# Altium PCB DevKITV3.PcbDoc (part 2 of 5)
Units mm, origin at the board's own origin, x right, y up, seen from the top; angles counter-clockwise.
Board outline 140 x 140 mm, 8 copper layers (Top Layer, Layer 2, Layer 3, Layer 4, Layer 5, Layer 6, Layer 7, Bottom Layer), stack 1.479 mm thick; 438 components, 315 nets, 1726 pads, 441 vias.
Unrouted connection lines stored in the file: 394.
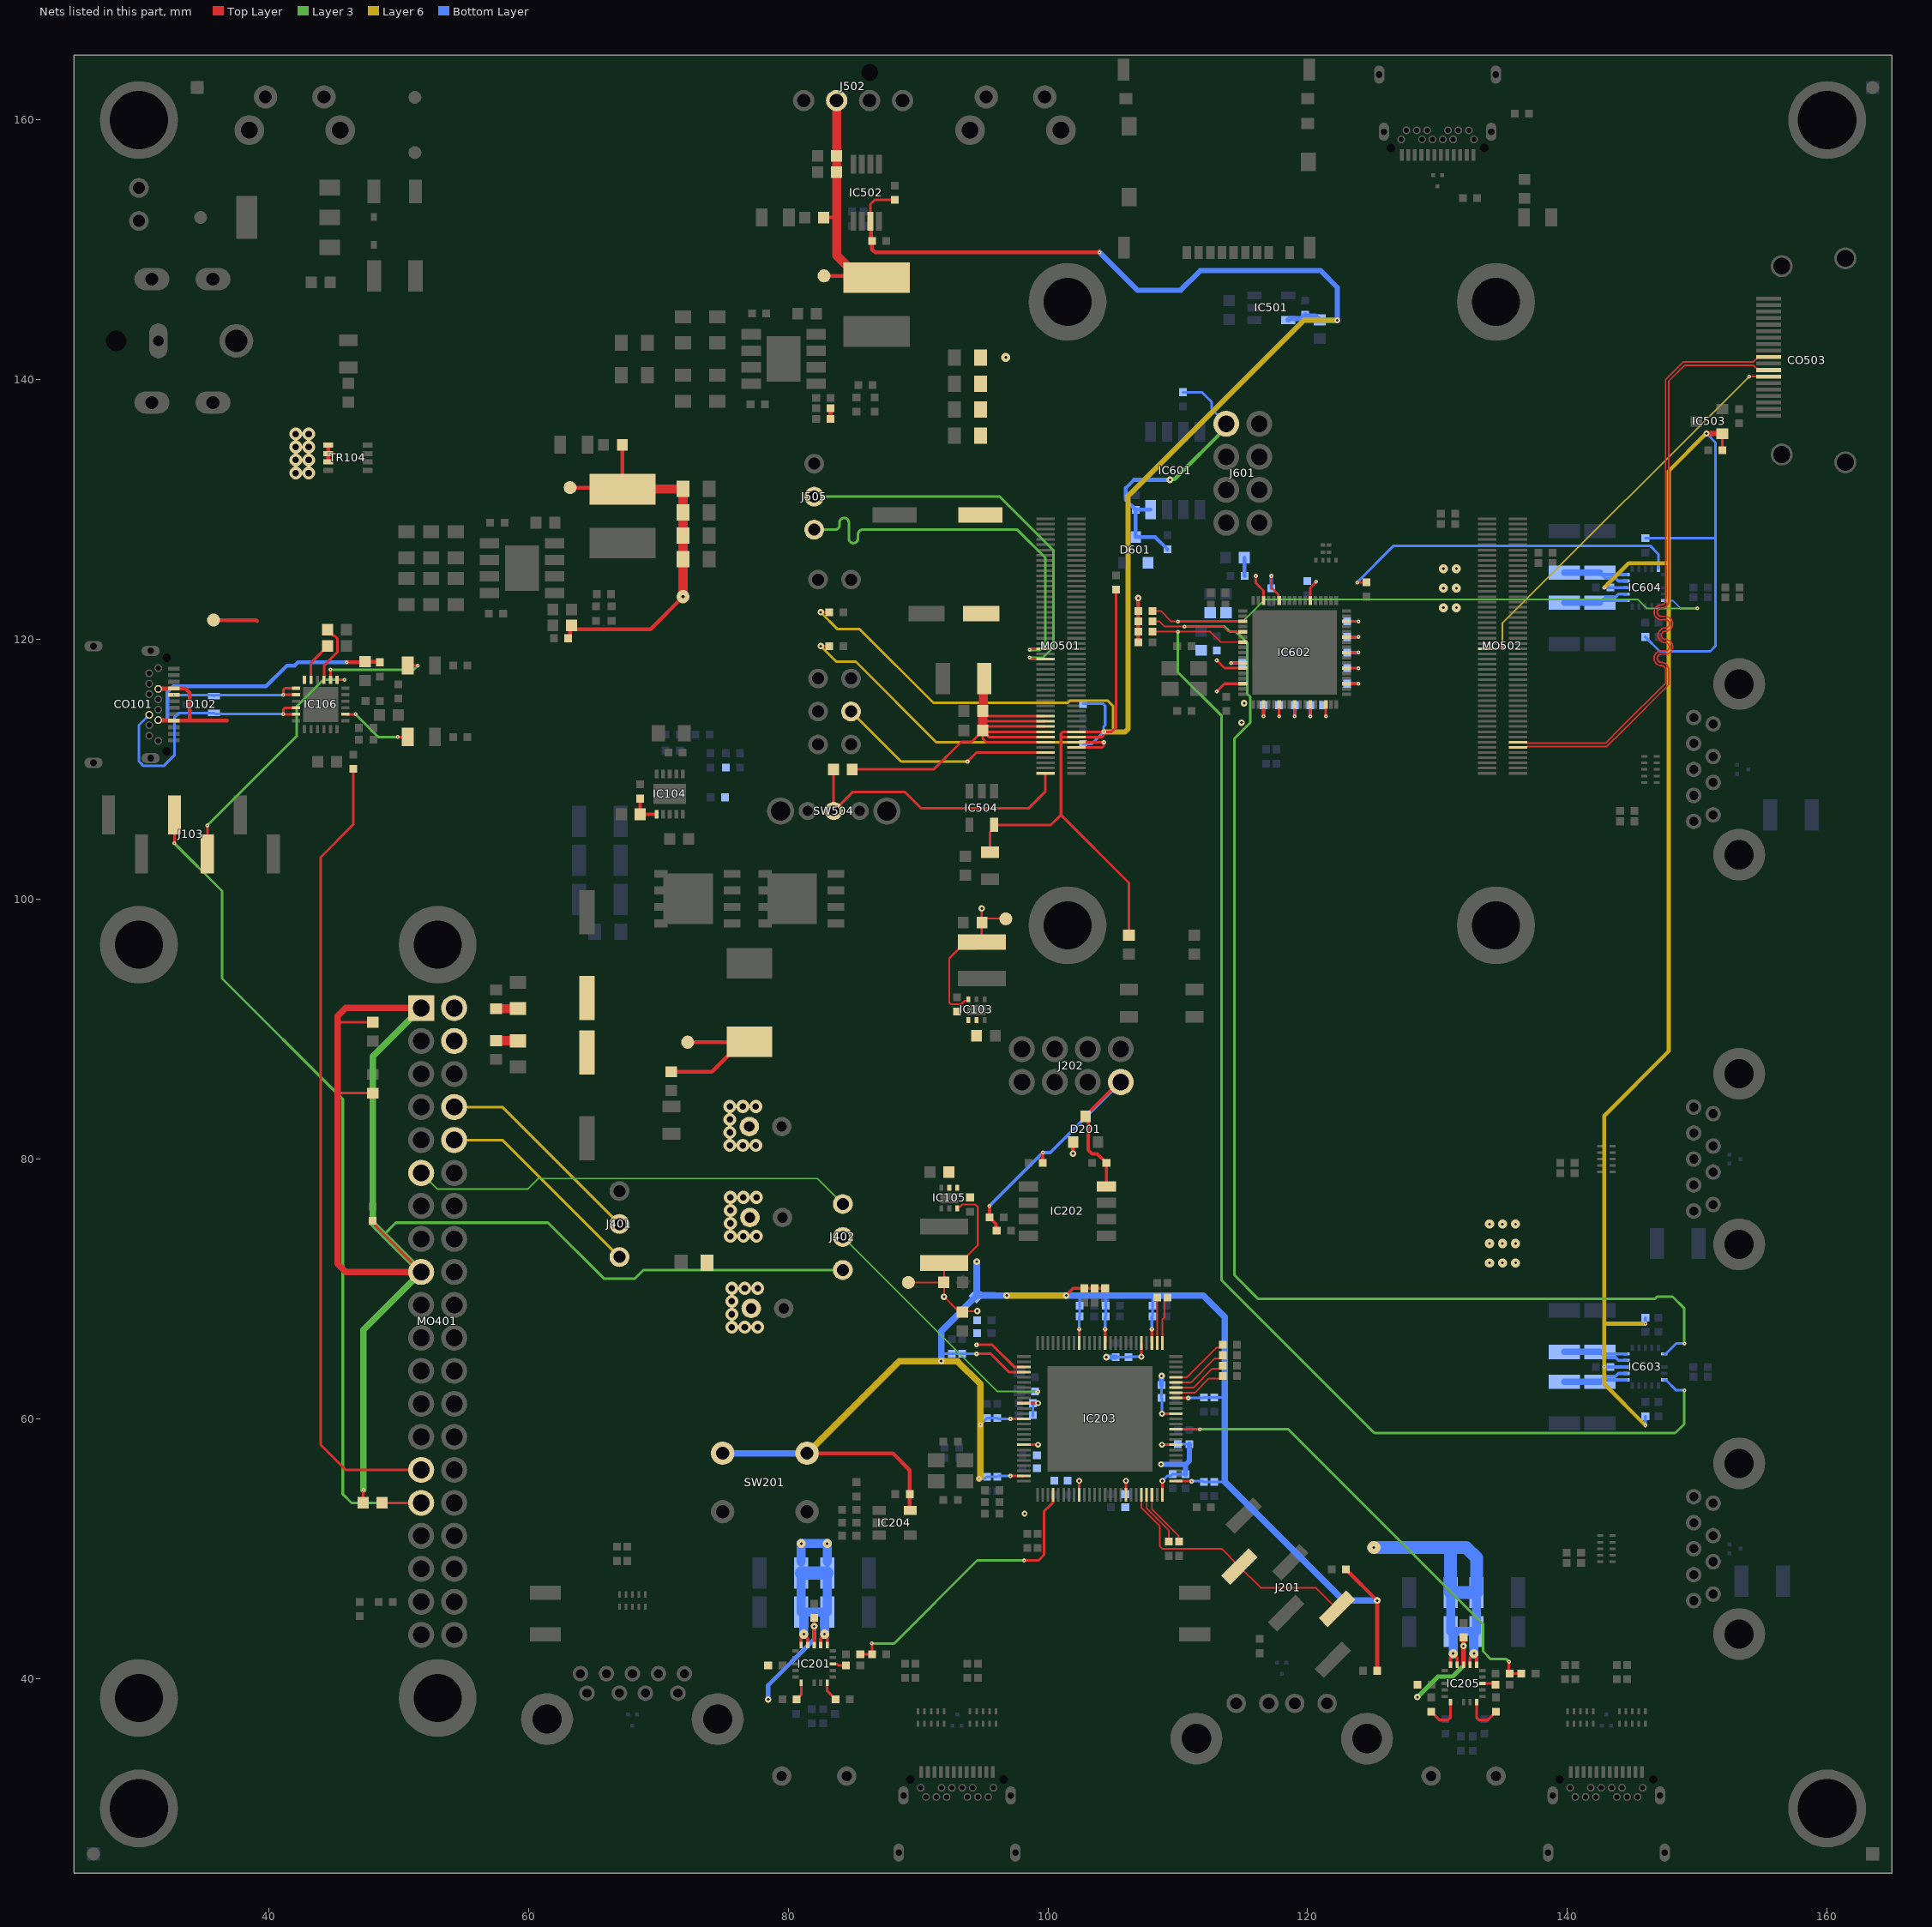
[diagram p8: the nets of this part, all layers, seen from the top]

## Footprints (in the part's own frame and the unit in brackets; to place one, negate y for a bottom-side part, rotate by r counter-clockwise, add the part's x,y. Pads: shape width x height; smd on the part's side, far side on the other; paste and mask are expansions set on the pad) (continued)
MSOP-8_3X3 [mm]
  rect 0.45x1.45 smd: 1(-0.975,-2.2) 2(-0.325,-2.2) 3(0.325,-2.2) 4(0.975,-2.2) 5(0.975,2.2) 6(0.325,2.2) 7(-0.325,2.2) 8(-0.975,2.2)
  silkscreen extent -1.65,-3.1 1.65,3.1, body extent -1.5,-2.6 1.5,2.4, height 1.09
NRS4018 [mm]
  rect 1.2x3.7 smd: 1(-1.4,0) 2(1.4,0)
  silkscreen extent -2.1,-2.1 2.1,2.1, body extent -2,-2 2,2, height 1.8
OS10_Series [mm]
  round 1.4 hole 0.8: 1(-2,0) 2(0,0) 3(2,0)
  round 2.1 hole 1.5: GND(-4.1,0) GND(4.1,0)
  silkscreen extent -4.7,-2.5 4.4,2.2, body extent -4.3,-2.15 4.3,2.15, height 8.7
PJ-082BH [mm]
  round 0 hole 1.6: 0(-3.75,0)
  round 2.6 hole 1.7: 1(5.5,0)
  oval 2.7x1.7 hole 1 slot 2 at 0 deg: 2(-1,-4.75) 2(-1,4.75) 2(3.7,-4.75) 2(3.7,4.75)
  oval 1.4x2.7 hole 0.8 slot 2.1 at 90 deg: 2(-0.5,0)
  silkscreen extent -6.5,-5 6.5,5, body extent -6.54,-5.09 6.59,5.11, height 10.15
PowerFLAT-3.3x3.3-8 [mm]
  rect 0.4x0.75 smd: 1(-0.975,-1.525) 2(-0.325,-1.525) 3(0.325,-1.525) 4(0.975,-1.525) 5(0.975,1.525) 6(0.325,1.525) 7(-0.325,1.525) 8(-0.975,1.525)
  Top Layer region: -1.875,-0.2 -1.875,0.2 0,0.2 0,-0.2
  Top Layer region: 1.875,-0.2 1.875,0.2 0,0.2 0,-0.2
  Top Layer region: -1.35,1.9 -1.35,-0.55 1.35,-0.55 1.35,1.9
  silkscreen extent -1.93,-2.18 1.65,1.9, body extent -1.65,-1.65 1.65,1.65, height 1
PowerPAK-SO-8_5X6 [mm]
  rect 0.61x1.27 smd: 1(-1.905,-2.67) 2(-0.635,-2.67) 3(0.635,-2.67) 4(1.905,-2.67)
  rect 0.61x1.02 smd: 5(1.905,2.795) 6(0.635,2.795) 7(-0.635,2.795) 8(-1.905,2.795)
  rect 3.91x3.81 smd: 7(0,0.7)
  silkscreen extent -2.6,-3.8 2.6,3.5, body extent -2.58,-3.08 2.58,3.08, height 1.09
PTS645-V [mm]
  round 1.8 hole 1: 1(2.25,-1.275) 2(-2.25,-1.275)
  round 2.3 hole 1.3: 3(3.5,1.275) 4(-3.5,1.275)
  silkscreen extent -4.8,-4.5 4.8,3, body extent -4.25,-4.4 4.25,2.9, height 7.5
QFN-24G_4X4 [mm]
  rect 0.6x0.25 smd: 1(-1.9,1.25) 2(-1.9,0.75) 3(-1.9,0.25) 4(-1.9,-0.25) 5(-1.9,-0.75) 6(-1.9,-1.25) 13(1.9,-1.25) 14(1.9,-0.75) 15(1.9,-0.25) 16(1.9,0.25) 17(1.9,0.75) 18(1.9,1.25)
  rect 0.25x0.6 smd: 7(-1.25,-1.9) 8(-0.75,-1.9) 9(-0.25,-1.9) 10(0.25,-1.9) 11(0.75,-1.9) 12(1.25,-1.9) 19(1.25,1.9) 20(0.75,1.9) 21(0.25,1.9) 22(-0.25,1.9) 23(-0.75,1.9) 24(-1.25,1.9)
  rect 2.7x2.7 smd: 25(0,0)
  silkscreen extent -2.3,-2.3 2.3,2.3, body extent -2.02,-2.02 2.02,2.02, height 0.99
QFN-68G_8X8 [mm]
  rect 0.69x0.28 smd: 1(-4,3.2) 2(-4,2.8) 3(-4,2.4) 4(-4,2) 5(-4,1.6) 6(-4,1.2) 7(-4,0.8) 8(-4,0.4) 9(-4,0) 10(-4,-0.4) 11(-4,-0.8) 12(-4,-1.2) 13(-4,-1.6) 14(-4,-2) 15(-4,-2.4) 16(-4,-2.8) 17(-4,-3.2) 35(4,-3.2) 36(4,-2.8) 37(4,-2.4) 38(4,-2) 39(4,-1.6) 40(4,-1.2) 41(4,-0.8) 42(4,-0.4) 43(4,0) 44(4,0.4) 45(4,0.8) 46(4,1.2) 47(4,1.6) 48(4,2) 49(4,2.4) 50(4,2.8) 51(4,3.2)
  rect 0.28x0.69 smd: 18(-3.2,-4) 19(-2.8,-4) 20(-2.4,-4) 21(-2,-4) 22(-1.6,-4) 23(-1.2,-4) 24(-0.8,-4) 25(-0.4,-4) 26(0,-4) 27(0.4,-4) 28(0.8,-4) 29(1.2,-4) 30(1.6,-4) 31(2,-4) 32(2.4,-4) 33(2.8,-4) 34(3.2,-4) 52(3.2,4) 53(2.8,4) 54(2.4,4) 55(2,4) 56(1.6,4) 57(1.2,4) 58(0.8,4) 59(0.4,4) 60(0,4) 61(-0.4,4) 62(-0.8,4) 63(-1.2,4) 64(-1.6,4) 65(-2,4) 66(-2.4,4) 67(-2.8,4) 68(-3.2,4)
  rect 6.5x6.5 smd: 69(0,0)
  silkscreen extent -4.5,-4.5 4.5,4.5, body extent -4,-4 4,4, height 1
QR_FXLAND_1 [mm]
  silkscreen extent -13.5,-13.5 13.5,13.5
R0201 [mm]
  rect 0.25x0.35 smd paste+0 mask+0: 1(-0.275,0) 2(0.275,0)
  silkscreen extent -0.43,-0.2 0.43,0.2, body extent -0.3,-0.15 0.3,0.15, height 0.23
R0402 [mm]
  rect 0.6x0.6 smd paste+0 mask+0: 1(-0.55,0) 2(0.55,0)
  silkscreen extent -0.85,-0.33 0.85,0.33, body extent -0.5,-0.25 0.5,0.25, height 0.35
R0603 [mm]
  rect 0.85x0.9 smd paste+0 mask+0: 1(-0.725,0) 2(0.725,0)
  silkscreen extent -1.2,-0.48 1.2,0.48, body extent -0.8,-0.4 0.8,0.4, height 0.45
RL_6.3_2.5_11 [mm]
  round 1.5 hole 0.8: 1(-1.25,0) 2(1.25,0)
  silkscreen extent -3.15,-3.15 3.15,3.15, body extent -3.15,-3.15 3.14,3.15, height 10.89
RL_10_5_12.5 [mm]
  round 1.5 hole 0.8: 1(-2.5,0) 2(2.5,0)
  silkscreen extent -5,-5 5,5, body extent -5,-5 4.99,5, height 12.39
RPICM4_Layout [mm]
  silkscreen extent -27.5,-20 27.5,20, body extent -27.5,-20 27.5,20, height 6.8
RPIZeroW_HeaderPins [mm]
  rect 2x2 hole 1.3: 1(-24.13,10.236)
  round 2 hole 1.3: 2(-24.13,12.776) 3(-21.59,10.236) 4(-21.59,12.776) 5(-19.05,10.236) 6(-19.05,12.776) 7(-16.51,10.236) 8(-16.51,12.776) 9(-13.97,10.236) 10(-13.97,12.776) 11(-11.43,10.236) 12(-11.43,12.776) 13(-8.89,10.236) 14(-8.89,12.776) 15(-6.35,10.236) 16(-6.35,12.776) 17(-3.81,10.236) 18(-3.81,12.776) 19(-1.27,10.236) 20(-1.27,12.776) 21(1.27,10.236) 22(1.27,12.776) 23(3.81,10.236) 24(3.81,12.776) 25(6.35,10.236) 26(6.35,12.776) 27(8.89,10.236) 28(8.89,12.776) 29(11.43,10.236) 30(11.43,12.776) 31(13.97,10.236) 32(13.97,12.776) 33(16.51,10.236) 34(16.51,12.776) 35(19.05,10.236) 36(19.05,12.776) 37(21.59,10.236) 38(21.59,12.776) 39(24.13,10.236) 40(24.13,12.776)
  body extent -25.75,8.98 25.75,14.06, height 8.51
RPIZEROW_LAYOUT_HEIGHTENED [mm]
  silkscreen extent -32.5,-15 32.5,15, body extent -32.5,-16.25 33.4,15, height 15.65
SO-8 [mm]
  rect 0.8x1.5 smd: 1(-1.9,-3) 2(-0.63,-3) 3(0.63,-3) 4(1.9,-3) 5(1.9,3) 6(0.63,3) 7(-0.63,3) 8(-1.9,3)
  silkscreen extent -2.87,-1.75 2.45,1.45, body extent -2.5,-3.12 2.5,3.12, height 2.05
SO-8-EP [mm]
  rect 0.8x1.5 smd: 1(-1.905,-2.5) 2(-0.635,-2.5) 3(0.635,-2.5) 4(1.905,-2.5) 5(1.905,2.5) 6(0.635,2.5) 7(-0.635,2.5) 8(-1.905,2.5)
  rect 3.5x2.6 smd: 9(0,0)
  silkscreen extent -2.87,-1.75 2.45,1.45, body extent -2.5,-3.12 2.5,3.12, height 2.05
SOD-323 [mm]
  rect 0.59x0.45 smd: A(-1.075,0) K(1.075,0)
  silkscreen extent -1.4,-0.6 1.6,0.6, body extent -1.25,-0.63 1.25,0.63, height 0.98
SOT-3 [mm]
  rect 0.3x0.3 smd mask+0.05: 1(-0.35,-0.425) 2(0.35,-0.425) 3(0,0.425)
  silkscreen extent -0.6,-0.6 0.6,0.6, body extent -0.5,-0.45 0.5,0.45, height 0.5
SOT-23 [mm]
  rect 0.8x0.9 smd: 1(0.95,1) 2(-0.95,1) 3(0,-1)
  silkscreen extent -1.52,-0.51 1.52,0.51, body extent -1.52,-1.32 1.52,1.32, height 1.04
SOT-23-5 [mm]
  rect 0.6x1.1 smd: 1(-0.95,-1.3) 2(0,-1.3) 3(0.95,-1.3) 4(0.95,1.3) 5(-0.95,1.3)
  silkscreen extent -1.45,-0.8 1.45,0.8, body extent -1.45,-1.4 1.45,1.4, height 1.45
SOT-223 [mm]
  rect 1.2x1.6 smd: 1(-2.3,-3.2) 2(0,-3.2) 3(2.3,-3.2)
  rect 3.3x1.6 smd: 2(0,3.2)
  silkscreen extent -3.6,-4.4 3.3,4.1, body extent -3.25,-3.48 3.25,3.48, height 1.65
SOT-323 [mm]
  rect 0.5x0.95 smd: 1(0.65,0.975) 2(-0.65,0.975) 3(0,-0.975)
  silkscreen extent -1.1,-1.05 1.1,1.27, body extent -1.05,-1 1.05,1.1, height 0.93
SOT-1176-1 [mm]
  rect 0.2x0.475 smd: 1(-1,-0.475) 2(-0.5,-0.475) 3(0,-0.475) 4(0.5,-0.475) 5(1,-0.475) 6(1,0.475) 7(0.5,0.475) 8(0,0.475) 9(-0.5,0.475) 10(-1,0.475)
  silkscreen extent -1.4,-0.6 1.3,0.5, body extent -1.25,-0.5 1.25,0.5, height 0.5
SPI_PROG_TYPE1 [mm]
  round 2 hole 1.27: 1(-3.81,1.27) 2(-3.81,-1.27) 3(-1.27,1.27) 4(-1.27,-1.27) 5(1.27,1.27) 6(1.27,-1.27) 7(3.81,1.27) 8(3.81,-1.27)
  silkscreen extent -5.08,-2.54 5.08,2.54
SRN6045TA [mm]
  rect 2.35x5.1 smd: 1(-2.075,0) 2(2.075,0)
  silkscreen extent -3.5,-3.25 3.5,3.25, body extent -3.15,-3 3.15,3, height 4.5
TP_1MM [mm]
  round 1 smd: 1(0,0)
  silkscreen extent -0.6,-0.6 0.6,0.6
TS02 [mm]
  round 1.8 hole 1: 1(-3.25,2.25) 2(3.25,2.25) 3(-3.25,-2.25) 4(3.25,-2.25)
  silkscreen extent -4.2,-3 3.6,3.2, body extent -3.6,-3 3.6,3, height 5
TSOP-5 [mm]
  rect 0.7x1 smd: 1(-0.95,-1.2) 2(0,-1.2) 3(0.95,-1.2) 4(0.95,1.2) 5(-0.95,1.2)
  silkscreen extent -1.9,-2.2 1.6,1.9, body extent -1.55,-1.5 1.55,1.5, height 1.1
USB1130-15-A [mm]
  round 1.5 hole 0.92: 1(-3.5,12.99) 2(-1,12.99) 3(1,12.99) 4(3.5,12.99)
  round 4 hole 2.26: SH(-6.57,10.28) SH(6.57,10.28)
  silkscreen extent -8.7,0 8.7,14.7, body extent -7.8,0 7.8,14.16, height 6.99
USB1135-15-9-L-B [mm]
  round 1.2 hole 0.7: 1(-3.5,13.78) 2(-1,13.78) 3(1,13.78) 4(3.5,13.78) 5(4,15.28) 6(2,15.28) 7(0,15.28) 8(-2,15.28) 9(-4,15.28)
  round 4 hole 2.26: SH(-6.57,11.78) SH(6.57,11.78)
  silkscreen extent -8.7,0 8.7,17, body extent -7.74,0 7.73,16.5, height 7.56
USB4056-03-A [mm]
  rect 0.3x0.9 smd: 1(-2.75,6.2) 2(-2.25,6.2) 3(-1.75,6.2) 4(-1.25,6.2) 5(-0.75,6.2) 6(-0.25,6.2) 7(0.25,6.2) 8(0.75,6.2) 9(1.25,6.2) 10(1.75,6.2) 11(2.25,6.2) 12(2.75,6.2)
  round 0.6 hole 0.4: 21(2.8,4.99) 22(2.4,4.29) 23(1.6,4.29) 24(1.2,4.99) 25(0.8,4.29) 26(0.4,4.99) 27(-0.4,4.99) 28(-0.8,4.29) 29(-1.2,4.99) 30(-1.6,4.29) 31(-2.4,4.29) 32(-2.8,4.99)
  round 0 hole 0.65: HOLE(-3.6,5.64)
  round 0 hole 0.65 slot 0.95 at 0 deg: HOLE(3.6,5.64)
  oval 0.8x1.4 hole 0.5 slot 1.1 at 90 deg: SH(-4.49,0) SH(-4.13,4.4) SH(4.13,4.4) SH(4.49,0)
  silkscreen extent -5,-1.55 5,7.4, body extent -4.91,-2.53 4.94,7.34, height 3.33
VQFN-20_3X3 [mm]
  rect 0.5x0.25 smd: 1(-1.45,1) 2(-1.45,0.5) 3(-1.45,0) 4(-1.45,-0.5) 5(-1.45,-1) 11(1.45,-1) 12(1.45,-0.5) 13(1.45,0) 14(1.45,0.5) 15(1.45,1)
  rect 0.25x0.5 smd: 6(-1,-1.45) 7(-0.5,-1.45) 8(0,-1.45) 9(0.5,-1.45) 10(1,-1.45) 16(1,1.45) 18(0,1.45) 19(-0.5,1.45) 20(-1,1.45)
  round 0.025 smd: 17(0.5,1.45)
  Top Layer region: -1,-0.125 -1,1 0.375,1 0.375,1.7 0.625,1.7 0.625,1 1,1 1,-0.125 1,-0.125
  silkscreen extent -1.8,-1.8 1.8,1.8, body extent -1.5,-1.5 1.5,1.5, height 0.9
VQFN-100G_12X12 [mm]
  rect 1.05x0.2 smd: 1(-5.85,4.8) 2(-5.85,4.4) 3(-5.85,4) 4(-5.85,3.6) 5(-5.85,3.2) 6(-5.85,2.8) 7(-5.85,2.4) 8(-5.85,2) 9(-5.85,1.6) 10(-5.85,1.2) 11(-5.85,0.8) 12(-5.85,0.4) 13(-5.85,0) 14(-5.85,-0.4) 15(-5.85,-0.8) 16(-5.85,-1.2) 17(-5.85,-1.6) 18(-5.85,-2) 19(-5.85,-2.4) 20(-5.85,-2.8) 21(-5.85,-3.2) 22(-5.85,-3.6) 23(-5.85,-4) 24(-5.85,-4.4) 25(-5.85,-4.8) 51(5.85,-4.8) 52(5.85,-4.4) 53(5.85,-4) 54(5.85,-3.6) 55(5.85,-3.2) 56(5.85,-2.8) 57(5.85,-2.4) 58(5.85,-2) 59(5.85,-1.6) 60(5.85,-1.2) 61(5.85,-0.8) 62(5.85,-0.4) 63(5.85,0) 64(5.85,0.4) 65(5.85,0.8) 66(5.85,1.2) 67(5.85,1.6) 68(5.85,2) 69(5.85,2.4) 70(5.85,2.8) 71(5.85,3.2) 72(5.85,3.6) 73(5.85,4) 74(5.85,4.4) 75(5.85,4.8)
  rect 0.2x1.05 smd: 26(-4.8,-5.85) 27(-4.4,-5.85) 28(-4,-5.85) 29(-3.6,-5.85) 30(-3.2,-5.85) 31(-2.8,-5.85) 32(-2.4,-5.85) 33(-2,-5.85) 34(-1.6,-5.85) 35(-1.2,-5.85) 36(-0.8,-5.85) 37(-0.4,-5.85) 38(0,-5.85) 39(0.4,-5.85) 40(0.8,-5.85) 41(1.2,-5.85) 42(1.6,-5.85) 43(2,-5.85) 44(2.4,-5.85) 45(2.8,-5.85) 46(3.2,-5.85) 47(3.6,-5.85) 48(4,-5.85) 49(4.4,-5.85) 50(4.8,-5.85) 76(4.8,5.85) 77(4.4,5.85) 78(4,5.85) 79(3.6,5.85) 80(3.2,5.85) 81(2.8,5.85) 82(2.4,5.85) 83(2,5.85) 84(1.6,5.85) 85(1.2,5.85) 86(0.8,5.85) 87(0.4,5.85) 88(0,5.85) 89(-0.4,5.85) 90(-0.8,5.85) 91(-1.2,5.85) 92(-1.6,5.85) 93(-2,5.85) 94(-2.4,5.85) 95(-2.8,5.85) 96(-3.2,5.85) 97(-3.6,5.85) 98(-4,5.85) 99(-4.4,5.85) 100(-4.8,5.85)
  rect 8.1x8.1 smd: 101(0,0)
  silkscreen extent -6.4,-6.4 6.4,6.4, body extent -5.99,-5.99 5.99,5.99, height 0.89

## Part data
1: library part ME0023, "QR code FxLand 1", ID=23, Part Number=ME0023, RefVal="QR code"
C101 C114 C117 C129 C143: library part CA0029, "100nF 50V 10% X7R", ID=29, ManfactPart=CGA2B3X7R1H104K050BB, Part Number=CA0029, RefVal=100nF
C102 C103 C104 C105 C118 C119 C120 C121 C403 C404: library part CA0001, "10µF 16V 10% X5R", ID=1, ManfactPart=GRM21BR61C106KE15L, Part Number=CA0001, RefVal=10µF
C106 C115 C122 C203 C205 C207 C209 C211 C213 C215 C217 C222 C224 C226 C228 C230 C232 C234 C236 C238: library part CA0031, "1nF 50V 1% C0G", ID=31, ManfactPart=GRT1555C1H102FA02D, Part Number=CA0031, RefVal=1nF
C107 C151 C152 C153: library part CA0024, "10µF 63V 10% X7R", ID=24, ManfactPart=GRM32ER71J106KA12, Part Number=CA0024, RefVal=10µF
C108 C109 C110 C111 C112 C113 C123 C124 C125 C126 C127 C128: library part CA0005, "10µF 35V 10% X5R", ID=5, ManfactPart=C2012X5R1V106K125AC, Part Number=CA0005, RefVal=10µF
C116: library part CA0030, "1.2nF 50V 10% X7R", ID=30, ManfactPart=GCM155R71H122KA37D, Part Number=CA0030, RefVal=1.2nF
C130: library part CA0068, "56pF 50V 2% C0G", ID=68, ManfactPart=CC0402GRNPO9BN560, Part Number=CA0068, RefVal=56pF
C131: library part CA0055, "2.7nF 50V 5% X7R", ID=55, ManfactPart=GRM155R71H272JA01D, Part Number=CA0055, RefVal=2.7nF
C132 C154 C157: library part CA0023, "100nF 50V 20% X7R", ID=23, ManfactPart=C0805C104M5RAC, Part Number=CA0023, RefVal=100nF
C133 C134 C139 C140 C501 C502 C506 C511 C602 C610: library part CA0008, "10µF 16V 20% X5R", ID=8, ManfactPart=GRM188R61C106MAALD, Part Number=CA0008, RefVal=10µF
C135: library part CA0004, "330nF 35V 10% X5R", ID=4, ManfactPart=CGA3E3X5R1V334K080AB, Part Number=CA0004, RefVal=330nF
C136 C155 C156: library part CA0050, "100µF 35V 20% 231mA", ID=50, ManfactPart=860010573007, Part Number=CA0050, RefVal=100µF
C137 C201 C220: library part CA0002, "4.7µF 16V 10% X5R", ID=2, ManfactPart=C1608X5R1C475K080AC, Part Number=CA0002, RefVal=4.7µF
C138: library part CA0066, "3.9nF 50V 10% X7R", ID=66, ManfactPart=GCM155R71H392KA37D, Part Number=CA0066, RefVal=3.9nF
C141: library part CA0067, "33pF 50V 5% C0G", ID=67, ManfactPart=C1005C0G1H330J050BA, Part Number=CA0067, RefVal=33pF
C142: library part CA0065, "680pF 50V 10% X7R", ID=65, ManfactPart=C0402C681K5RAC, Part Number=CA0065, RefVal=680pF
C144 C145 C405 C406 C507 C512 C603 C611: library part CA0003, "1µF 16V 10% X5R", ID=3, ManfactPart=C1608X5R1C105K080AA, Part Number=CA0003, RefVal=1µF
C202 C204 C206 C208 C210 C212 C214 C216 C218 C221 C223 C225 C227 C229 C231 C233 C235 C237 C242 C243 C244 C245 C246 C247 C248 C249 C251 C252 C256 C257 C258 C259 C260 C508 C509 C510 C601 C604 C605 C606 C607 C608 C609 C612 C613 C614 C615 C616 C617 C618 C619 C620 C621 C622 C623 C624 C625 C626 C627 C628 C630 C632 C637: library part CA0010, "100nF 16V 10% X7R", ID=10, ManfactPart=GCM155R71C104KA55D, Part Number=CA0010, RefVal=100nF
C219 C239 C240 C241 C250 C253 C254 C255 C301 C302 C505 C633 C634 C635 C636 C638 C639 C640 C641 C701 C702 C703: library part CA0007, "47µF 16V 20% X5R", ID=7, ManfactPart=EMK325ABJ476MM8P, Part Number=CA0007, RefVal=47µF
C261 C262 C629 C631: library part CA0059, "12pF 16V 1% C0G", ID=59, ManfactPart=VJ0402A120FXJCW1BC, Part Number=CA0059, RefVal=12pF
C303 C304: library part CA0043, "150µF 50V 20% 363mA", ID=43, ManfactPart=860010675016, Part Number=CA0043, RefVal=150µF
C401 C402 C503: library part CA0012, "330µF 16V 20% 16mΩ 4100mA", ID=12, ManfactPart=16SVPG330MX, Part Number=CA0012, RefVal=330µF
C504: library part CA0011, "100µF 16V 20% 15mΩ 4000mA", ID=11, ManfactPart=16SVPG100M, Part Number=CA0011, RefVal=100µF
CO101 CO301 CO302 CO502: library part CO0030, "USB C connector Receptacle Horizontal", ID=29, ManfactPart=USB4056-03-A, Part Number=CO0030, RefVal=USB4056
CO303 CO701 CO702 CO703: library part CO0041, "USB3.0 Type A receptacle Horizontal", ID=41, ManfactPart=USB1135-15-9-L-B, Part Number=CO0041, RefVal=USB1135
CO304: library part CO0040, "USB2.0 Type A receptacle Horizontal", ID=40, ManfactPart=USB1130-15-A, Part Number=CO0040, RefVal=USB1130
CO501: library part CO0027, "µSD-Card holder", ID=24, ManfactPart=693071030811, Part Number=CO0027, RefVal=µSD-Card
CO503: library part CO0007, ID=7, ManfactPart=10029449, Part Number=CO0007, RefVal=HDMI
D101: library part DI0008, "Zener Diode 36V 200mW", ID=8, ManfactPart=BZT52C36S, Part Number=DI0008, RefVal=36V
D102: library part DI0009, "TRANSIL array for data protection", ID=9, ManfactPart=ESDA25W, Part Number=DI0009, RefVal=TVS
D103 D104 D105 D106 D107 D108 D501 D502 D504 D505: library part DI0001, ID=1, ManfactPart=KP-2012CGCK, Part Number=DI0001, RefVal="Led Green"
D201 D601: library part DI0010, "Diodes - General Purpose, Power, Switching 100Vll Signal Switching Diodes 2A", ID=10, ManfactPart=BAS16_R1_00001, Part Number=DI0010, RefVal=BAS16
D301 D302 D303 D304 D503 D702 D704 D706: library part DI0002, "USB 2 TVS Diode", ID=2, ManfactPart=TPD2EUSB30DRTR, Part Number=DI0002, RefVal=TVS
D305 D306 D307 D308 D309 D701 D703 D705: library part DI0007, "USB 3 TVS Diode", ID=7, ManfactPart=PUSB3FA2Z, Part Number=DI0007, RefVal=TVS
F101: library part F0004, "32V/10A", ID=4, ManfactPart=C1H10, Part Number=F0004, RefVal=10A
Fid1 Fid3 Fid6 Fid8: library part ME0011, "Fiducial Round 1mm", ID=11, Part Number=ME0011, RefVal=Fiducial
Fid2 Fid4 Fid5 Fid7: library part ME0012, "Fiducial Sqaure 1mm", ID=12, Part Number=ME0012, RefVal=Fiducial
H1 H2 H3 H4: library part ME0002, "Mounting Hole M4", ID=2, Part Number=ME0002, RefVal="Hole M4"
IC101 IC102: library part IC0031, "3.8V TO 40V INPUT, 5A LOW IQ SYNCHRONOUS BUCK WITH PROGRAMMABLE SOFT-START TIME", ID=31, ManfactPart=AP64501SP-13, Part Number=IC0031, RefVal=AP64501SP-13
IC103: library part IC0049, "3MHz 2A Buck Converter 1.05V OUT", ID=49, ManfactPart=HL7504FN04, Part Number=IC0049, RefVal=HL7504
IC104: library part IC0055, "Switching Controllers Synchronous Buck PWM Control 600kHz 12ns", ID=55, ManfactPart=MCP19035-BAABE/MF, Part Number=IC0055, RefVal=MCP19035
IC105: library part IC0050, "3MHz 2A Buck Converter 1.10V OUT", ID=50, ManfactPart=HL7504FN08, Part Number=IC0050, RefVal=HL7504
IC106: library part IC0057, "USB Interface IC Standalone USB PD controller for power sinking devices", ID=57, ManfactPart=STUSB4500QTR, Part Number=IC0057, RefVal=STUSB4500
IC201 IC205 IC603 IC604: library part IC0056, "Dual USB Power Switch with Integrated Current Sensor", ID=56, ManfactPart=UCS2114, Part Number=IC0056, RefVal=UCS2114
IC202: library part IC0059, "16 Mbit Serial Quad I/O (SQI) Flash Memory", ID=59, ManfactPart=SST26VF016B-104V/SN, Part Number=IC0059, RefVal=SST26VF016B
IC203: library part IC0047, "4-Port USB 3.2 Gen 2 Type-C Controller Hub", ID=47, ManfactPart=USB7252C, Part Number=IC0047, RefVal=USB7252C
IC204: library part IC0061, "Logic Gates 2-6V Single 2-Input NOR", ID=61, ManfactPart=MC74HC1G02DTT1G, Part Number=IC0061, RefVal=MC74HC1G02
IC501: library part IC0029, "RT9742 High side power switch", ID=29, ManfactPart=RT9742GGJ5, Part Number=IC0029, RefVal=RT9742
IC502: library part IC0054, "Board Mount Temperature Sensors Single RPB-Based PWM Fan Speed CNTRL", ID=54, ManfactPart=EMC2301-1-ACZL-TR, Part Number=IC0054, RefVal=EMC2301
IC503: library part IC0011, "RT9742SNGV", ID=11, ManfactPart=RT9742SNGV, Part Number=IC0011, RefVal=RT9742
IC504: library part IC0009, "Buffer IC", ID=9, ManfactPart=SN74LVC1G07DBVT, Part Number=IC0009, RefVal=SN74LVC1G07D
IC601: library part IC0053, "32-Mbit SPI Serial Flash Memory with Dual-I/O and Quad-I/O Support", ID=53, ManfactPart=AT25SF321B-SSHB-T, Part Number=IC0053, RefVal=AT25SF321B
IC602: library part IC0046, "VL805 4-Port USB 3.0 Host Controller", ID=46, ManfactPart=VL805-Q6, Part Number=IC0046, RefVal=VL805
J101: library part CO0015, "DC Jack 36V @10A", ID=22, ManfactPart=PJ-082BH, Part Number=CO0015, RefVal="DC Jack"
J102 J504 J507 J508 J509: library part CO0012, "Header 1x2P", ID=12, ManfactPart=G800W306018EU, Part Number=CO0012, RefVal=Header
J103 J201: library part CO0043, "Header 1x6P SMT Mount", ID=43, ManfactPart=G800MJ302018EU, Part Number=CO0043, RefVal=Header
J202 J601: library part ME0028, "SPI Programming connection", ID=28, Part Number=ME0028, RefVal=SPI
J401 J402 J505: library part CO0018, "Header 1x3P", ID=32, ManfactPart=G800W305018EU, Part Number=CO0018, RefVal=Header
J502: library part CO0010, "Fan Connector 4pin", ID=10, ManfactPart=470531000, Part Number=CO0010, RefVal="Fan Connector"
L101 L102: library part IN0005, "3.3µH 5A 30% 21mΩ", ID=5, ManfactPart=SRN6045TA-3R3Y, Part Number=IN0005, RefVal="3.3µH 5A"
L103 L105: library part IN0004, ID=4, ManfactPart=NRS4018T2R2MDGJ, Part Number=IN0004, RefVal="2.2µH 3A"
L104: library part IN0017, "1.5µH 14.4A 20% 7.4mΩ", ID=17, ManfactPart=0630CDMCDDS-1R0MC, Part Number=IN0017, RefVal="1.5µH 14.4A"
"Logo FxLand1": library part ME0008, "Logo FxLand 3", ID=8, Part Number=ME0008, RefVal=FxLand
MO401: library part MO0017, "RPI ZeroW Header 1-40", ID=17, ManfactPart=9900002236265, Part Number=MO0017, RefVal=ZeroW-1
MO402 MO403 MO404 MO405: library part MO0016, "RPI ZeroW Mounting Studs", ID=16, ManfactPart=9774030151R, Part Number=MO0016, RefVal=ZeroW-M
MO406: library part MO0022, "Outline of ZeroW Heigthened P\lacement", ID=22, ManfactPart="RPI Zero W", Part Number=MO0022, RefVal=ZeroW
MO501: library part MO0012, "RPI CM4 Pin 1-100", ID=12, ManfactPart=DF40HC(3.0)-100DS-0.4V, Part Number=MO0012, RefVal=CM4-1
MO502: library part MO0013, "RPI CM4 Pin 101-200", ID=13, ManfactPart=DF40HC(3.0)-100DS-0.4V, Part Number=MO0013, RefVal=CM4-2
MO503 MO504 MO505 MO506: library part MO0014, "RPI CM4 Mounting Studs", ID=14, ManfactPart=9774030151R, Part Number=MO0014, RefVal=CM4-M
MO507: library part MO0011, "Outline of CM4", ID=11, ManfactPart="RPI CM4", Part Number=MO0011, RefVal=CM4
R101 R105 R106 R119: library part RS0007, "100Ω 1% 100mW", ID=7, ManfactPart=WR06X1000FTL, Part Number=RS0007, RefVal=100Ω
R102 R216 R501: library part RS0015, "12KΩ 1% 62.5mW", ID=15, ManfactPart=RC0402FR-1312KL, Part Number=RS0015, RefVal=12KΩ
R103 R115: library part RS0034, "20KΩ 1% 100mW 100PPM", ID=34, ManfactPart=ERJ-S02F2002X, Part Number=RS0034, RefVal=20KΩ
R104: library part RS0035, "2.2KΩ 1% 62.5mW 100PPM", ID=35, ManfactPart=CRGCQ0402F2K2, Part Number=RS0035, RefVal=2.2KΩ
R107: library part RS0041, "69.8KΩ 1% 100mW 100PPM", ID=41, ManfactPart=CRCW060369K8FKEB, Part Number=RS0041, RefVal=69.8KΩ
R108: library part RS0054, "10.5KΩ 1% 62.5mW 100PPM", ID=54, ManfactPart=CRCW040210K5FKEDC, Part Number=RS0054, RefVal=10.5K
R109 R218: library part RS0040, "22.1KΩ 1% 100mW 100PPM", ID=40, ManfactPart=RC0603FR-0722K1L, Part Number=RS0040, RefVal=22.1KΩ
R110 R113: library part RS0066, "1MΩ 1% 62.5mW 100PPM", ID=66, ManfactPart=0402WGF1004TCE, Part Number=RS0066, RefVal=1MΩ
R111 R112 R118 R126 R127 R202 R205 R247 R406 R619: library part RS0036, "100KΩ 1% 62.5mW 100PPM", ID=36, ManfactPart=AC0402FR-13100KL, Part Number=RS0036, RefVal=100KΩ
R114: library part RS0079, "8.2KΩ 1% 62.5mW 100PPM", ID=79, ManfactPart=0402WGF8201TCE, Part Number=RS0079, RefVal=8.2KΩ
R116: library part RS0078, "750Ω 1% 62.5mW 100PPM", ID=78, ManfactPart=CRG0402F750R, Part Number=RS0078, RefVal=750Ω
R117: library part RS0059, "2.7KΩ 1% 62.5mW 100PPM", ID=59, ManfactPart=CRG0402F2K7, Part Number=RS0059, RefVal=2.7KΩ
R120: library part RS0033, "22KΩ 1% 62.5mW 100PPM", ID=33, ManfactPart=MCWR04X2202FTL, Part Number=RS0033, RefVal=22KΩ
R121 R122 R130: library part RS0008, "1KΩ 5% 100mW", ID=8, ManfactPart="WR06X102 JTL", Part Number=RS0008, RefVal=1KΩ
R123 R124: library part RS0037, "1KΩ 5% 62.5mW 100PPM", ID=37, ManfactPart=RC0402JR-131KL, Part Number=RS0037, RefVal=1KΩ
R125 R203 R204 R212 R213 R214 R215 R228 R229 R231 R234 R235 R236 R243 R401 R405 R508 R601 R602 R607 R608 R609 R611 R612 R613 R614 R623 R624: library part RS0011, "10KΩ 1% 62.5mW", ID=11, ManfactPart=WR04X1002FTL, Part Number=RS0011, RefVal=10KΩ
R129 R132 R504 R510 R515 R516: library part RS0001, "150Ω 1% 100mW", ID=1, ManfactPart=MCWR06X1500FTL, Part Number=RS0001, RefVal=150Ω
R131: library part RS0080, "50Ω 0.1% 100mW 50PPM", ID=80, ManfactPart=RT0603BRE0750RL, Part Number=RS0080, RefVal=50Ω
R201 R237: library part RS0076, "43KΩ 1% 62.5mW 100PPM", ID=76, ManfactPart=CRCW040243K0FKEDC, Part Number=RS0076, RefVal=43KΩ
R206 R209 R210 R219 R220 R221 R222 R223 R224 R225 R226 R230: library part RS0045, "200KΩ 1% 62.5mW 100PPM", ID=45, ManfactPart=CRG0402F200K, Part Number=RS0045, RefVal=200KΩ
R211 R241: library part RS0077, "49.9KΩ 1% 62.5mW 100PPM", ID=77, ManfactPart=0402WGF4992TCE, Part Number=RS0077, RefVal=49.9KΩ
R217 R502 R509: library part RS0038, "5.1KΩ 1% 62.5mW 100PPM", ID=38, ManfactPart=CRCW04025K10FKEDC, Part Number=RS0038, RefVal=5.1kΩ
R227 R244: library part RS0075, "33KΩ 1% 62.5mW 100PPM", ID=75, ManfactPart=0402WGF3302TCE, Part Number=RS0075, RefVal=33KΩ
R232 R233 R238 R239 R240 R242 R245 R246 R248 R249 R250 R251 R503 R507 R517 R518 R519 R520 R615 R616 R617 R618 R620 R621 R622 R625 R626: library part RS0074, "0Ω 62.5mW", ID=74, ManfactPart=0402WGJ0000TCE, Part Number=RS0074, RefVal=0Ω
R402 R403 R404: library part RS0002, "4.7KΩ 1% 100mW", ID=2, ManfactPart=WR06X4701FTL, Part Number=RS0002, RefVal=4.7KΩ
R505 R506 R511 R512: library part RS0020, "2.2KΩ 5% 62.5mW", ID=20, ManfactPart="MCMR04X222 JTL", Part Number=RS0020, RefVal=2.2KΩ
R513: library part RS0051, "36KΩ 1% 62.5mW 100PPM", ID=51, ManfactPart=ERJ-2RKF3602X, Part Number=RS0051, RefVal=36KΩ
R514: library part RS0003, "10KΩ 5% 100mW", ID=3, ManfactPart="WR06X103 JTL", Part Number=RS0003, RefVal=10KΩ
R603 R604: library part RS0067, "33Ω 5% 50mW 200PPM", ID=67, ManfactPart=0201WMJ0330TEE, Part Number=RS0067, RefVal=33Ω
R605 R606: library part RS0069, "49.9Ω 1% 50mW 200PPM", ID=69, ManfactPart=0201WMF499JTEE, Part Number=RS0069, RefVal=49.9Ω
R610: library part RS0017, "6.04KΩ 1% 62.5mW", ID=17, ManfactPart=RC0402FR-076K04L, Part Number=RS0017, RefVal=6.04KΩ
SW201: library part SW0005, "TACTILE SWITCH SPST", ID=5, ManfactPart=TS02-66-50-BK-160-SCR-D, Part Number=SW0005, RefVal=TS02
SW401 SW503: library part SW0003, "TACTILE SWITCH SPST", ID=3, ManfactPart=PTS645VK832LFS, Part Number=SW0003, RefVal=PTS645
SW504: library part SW0001, "Miniature Slide Switch SPDT", ID=1, ManfactPart=OS102011MS2QN1, Part Number=SW0001, RefVal=OS102011
TP_+1V1 TP_+1V05 TP_+3V3 TP_+5VR TP_+5VU TP_CPWR TP_GND TP_VIN TP_VPWR: library part ME0027, "Testpoint 1mm", ID=27, Part Number=ME0027, RefVal=TP
TR101: library part TR0007, "36V-PNP-E", ID=7, ManfactPart=ZVP2106GTA, Part Number=TR0007, RefVal=ZVP2106G
TR102: library part TR0012, "25V/2.4mΩ, N-channel Power MOSFET, 35.6A", ID=12, ManfactPart=SIRA24DP-T1-GE3, Part Number=TR0012, RefVal=SiRA24DP
TR103: library part TR0013, "30V/6mΩ, N-channel Power MOSFET, 22A", ID=13, ManfactPart=SIRA12BDP-T1-GE3, Part Number=TR0013, RefVal=SiRA12BDP
TR104: library part TR0010, "40V/17.5mΩ, P-channel Trench MOSFET, 8A", ID=10, ManfactPart=STL8P4LLF6, Part Number=TR0010, RefVal=STL8P4LLF6
X201 X601: library part CR0003, "25MHz 8pF 20PPM", ID=3, ManfactPart=403WF25012IK, Part Number=CR0003, RefVal=25MHz
